# KiCad board SparkFun_BlueSMiRF-ESP32_panelized.kicad_pcb (continued)
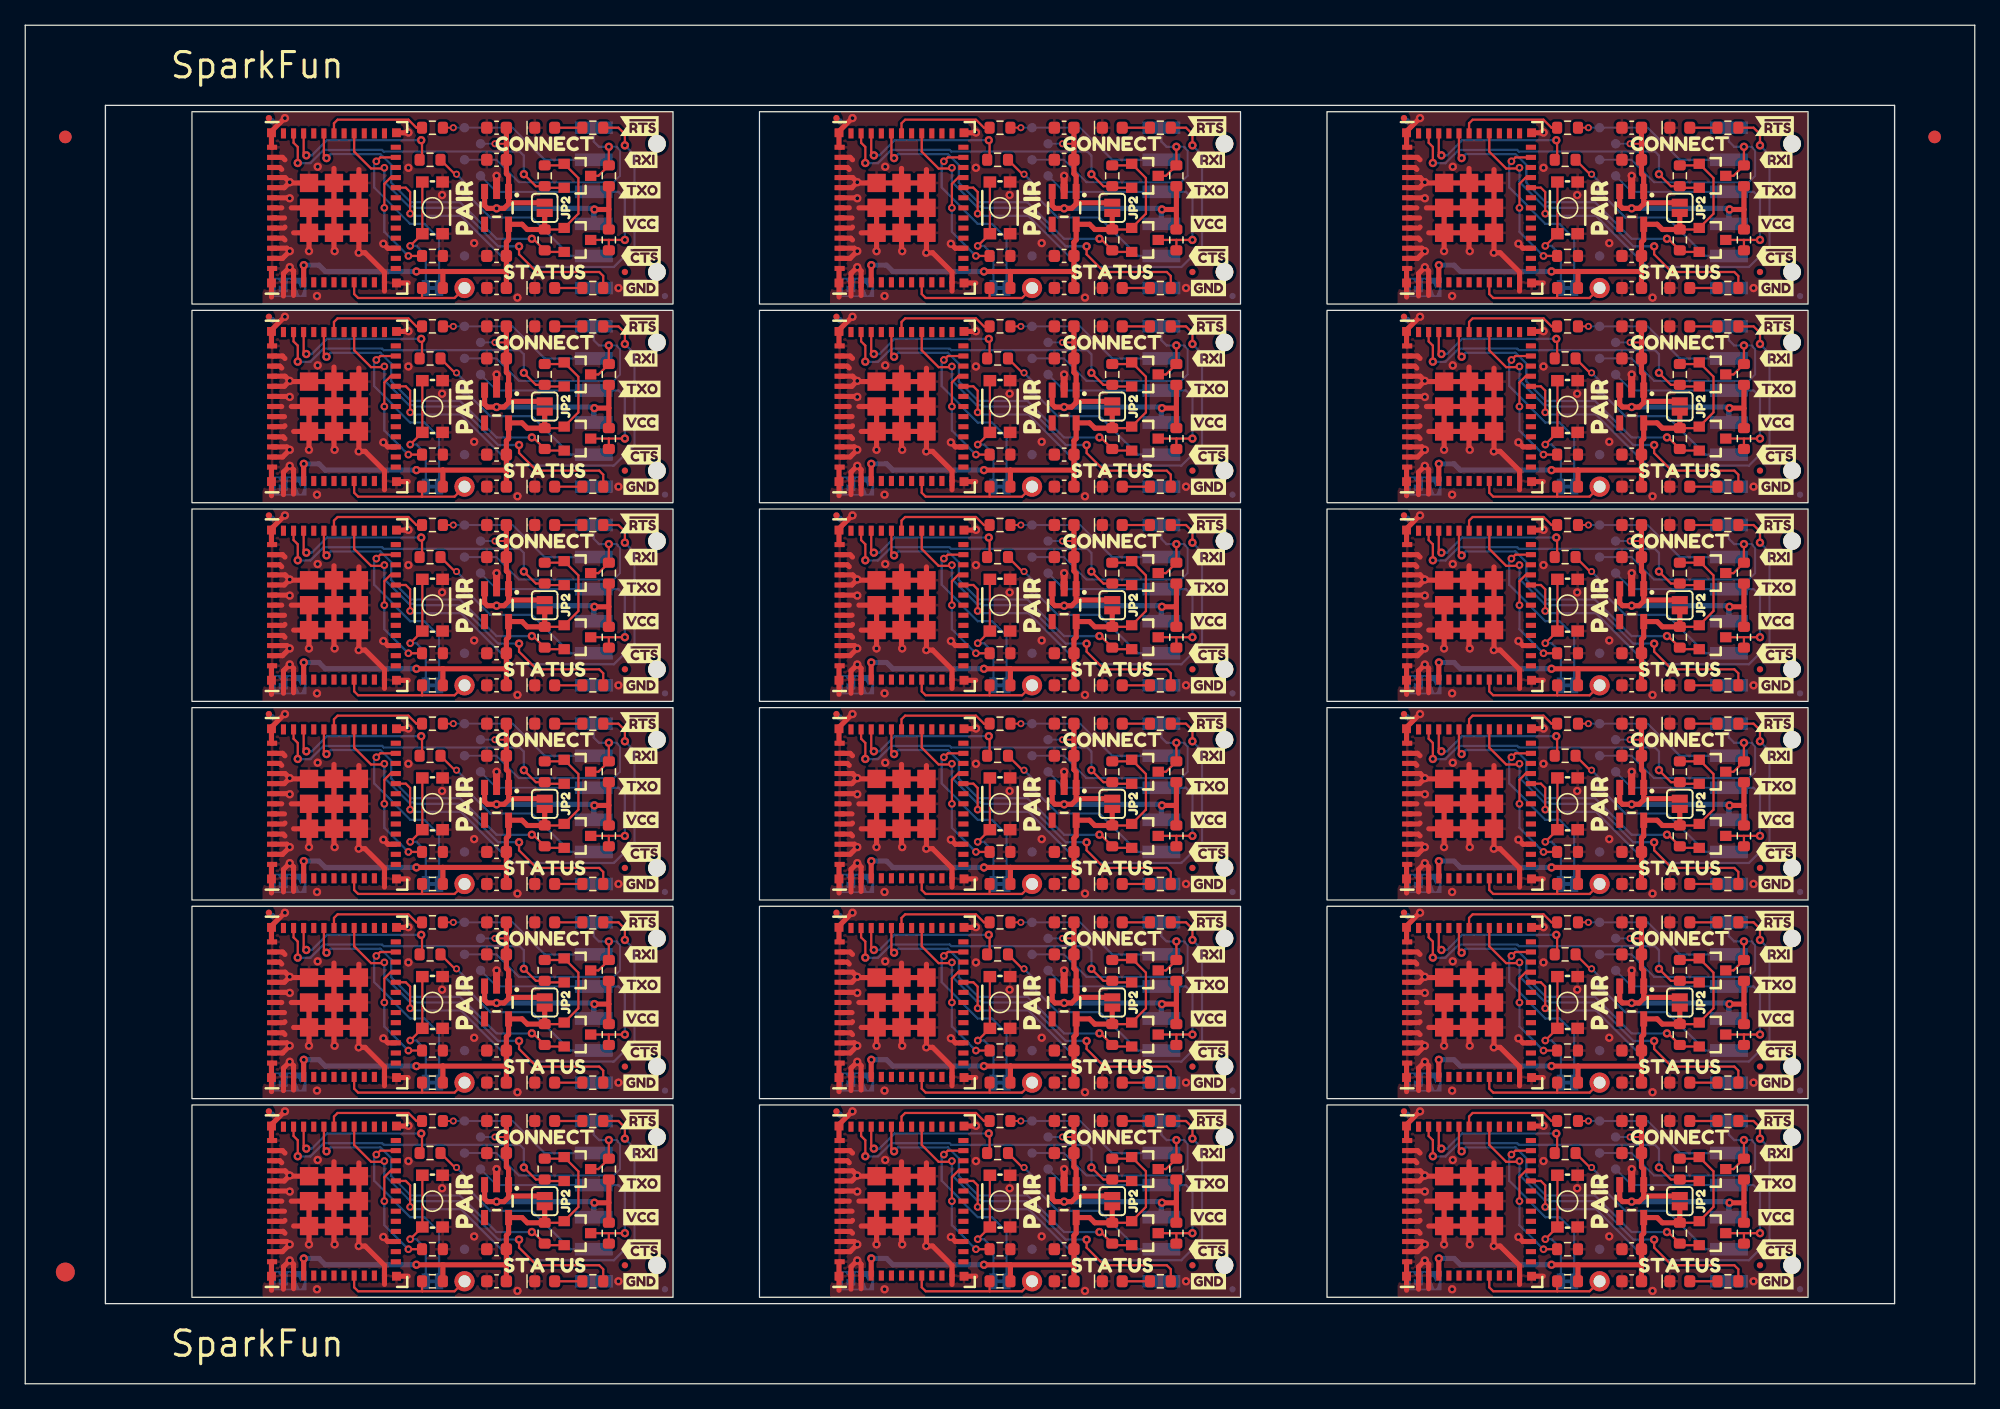
[diagram p0: board, top side]
## Nets (continued)
VCC: C1.1 C1#2.1 C1#3.1 C1#4.1 C1#5.1 C1#6.1 C1#7.1 C1#8.1 C1#9.1 C1#10.1 C1#11.1 C1#12.1 C1#13.1 C1#14.1 C1#15.1 C1#16.1 C1#17.1 C1#18.1 C2.1 C2#2.1 C2#3.1 C2#4.1 C2#5.1 C2#6.1 C2#7.1 C2#8.1 C2#9.1 C2#10.1 C2#11.1 C2#12.1 C2#13.1 C2#14.1 C2#15.1 C2#16.1 C2#17.1 C2#18.1 J1.4 J1#2.4 J1#3.4 J1#4.4 J1#5.4 J1#6.4 J1#7.4 J1#8.4 J1#9.4 J1#10.4 J1#11.4 J1#12.4 J1#13.4 J1#14.4 J1#15.4 J1#16.4 J1#17.4 J1#18.4 JP2.1 JP2#2.1 JP2#3.1 JP2#4.1 JP2#5.1 JP2#6.1 JP2#7.1 JP2#8.1 JP2#9.1 JP2#10.1 JP2#11.1 JP2#12.1 JP2#13.1 JP2#14.1 JP2#15.1 JP2#16.1 JP2#17.1 JP2#18.1 R9.1 R9#2.1 R9#3.1 R9#4.1 R9#5.1 R9#6.1 R9#7.1 R9#8.1 R9#9.1 R9#10.1 R9#11.1 R9#12.1 R9#13.1 R9#14.1 R9#15.1 R9#16.1 R9#17.1 R9#18.1 R10.1 R10#2.1 R10#3.1 R10#4.1 R10#5.1 R10#6.1 R10#7.1 R10#8.1 R10#9.1 R10#10.1 R10#11.1 R10#12.1 R10#13.1 R10#14.1 R10#15.1 R10#16.1 R10#17.1 R10#18.1 TP7.1 TP7#2.1 TP7#3.1 TP7#4.1 TP7#5.1 TP7#6.1 TP7#7.1 TP7#8.1 TP7#9.1 TP7#10.1 TP7#11.1 TP7#12.1 TP7#13.1 TP7#14.1 TP7#15.1 TP7#16.1 TP7#17.1 TP7#18.1 U2.1 U2.3 U2#2.1 U2#2.3 U2#3.1 U2#3.3 U2#4.1 U2#4.3 U2#5.1 U2#5.3 U2#6.1 U2#6.3 U2#7.1 U2#7.3 U2#8.1 U2#8.3 U2#9.1 U2#9.3 U2#10.1 U2#10.3 U2#11.1 U2#11.3 U2#12.1 U2#12.3 U2#13.1 U2#13.3 U2#14.1 U2#14.3 U2#15.1 U2#15.3 U2#16.1 U2#16.3 U2#17.1 U2#17.3 U2#18.1 U2#18.3
/Connect: R5.1 R5#2.1 R5#3.1 R5#4.1 R5#5.1 R5#6.1 R5#7.1 R5#8.1 R5#9.1 R5#10.1 R5#11.1 R5#12.1 R5#13.1 R5#14.1 R5#15.1 R5#16.1 R5#17.1 R5#18.1 U1.20 U1#2.20 U1#3.20 U1#4.20 U1#5.20 U1#6.20 U1#7.20 U1#8.20 U1#9.20 U1#10.20 U1#11.20 U1#12.20 U1#13.20 U1#14.20 U1#15.20 U1#16.20 U1#17.20 U1#18.20
/Status: R6.1 R6#2.1 R6#3.1 R6#4.1 R6#5.1 R6#6.1 R6#7.1 R6#8.1 R6#9.1 R6#10.1 R6#11.1 R6#12.1 R6#13.1 R6#14.1 R6#15.1 R6#16.1 R6#17.1 R6#18.1 U1.28 U1#2.28 U1#3.28 U1#4.28 U1#5.28 U1#6.28 U1#7.28 U1#8.28 U1#9.28 U1#10.28 U1#11.28 U1#12.28 U1#13.28 U1#14.28 U1#15.28 U1#16.28 U1#17.28 U1#18.28
PAIR: JP1.2 JP1#2.2 JP1#3.2 JP1#4.2 JP1#5.2 JP1#6.2 JP1#7.2 JP1#8.2 JP1#9.2 JP1#10.2 JP1#11.2 JP1#12.2 JP1#13.2 JP1#14.2 JP1#15.2 JP1#16.2 JP1#17.2 JP1#18.2 U1.23 U1#2.23 U1#3.23 U1#4.23 U1#5.23 U1#6.23 U1#7.23 U1#8.23 U1#9.23 U1#10.23 U1#11.23 U1#12.23 U1#13.23 U1#14.23 U1#15.23 U1#16.23 U1#17.23 U1#18.23
RX_HV: J1.2 J1#2.2 J1#3.2 J1#4.2 J1#5.2 J1#6.2 J1#7.2 J1#8.2 J1#9.2 J1#10.2 J1#11.2 J1#12.2 J1#13.2 J1#14.2 J1#15.2 J1#16.2 J1#17.2 J1#18.2 R3.2 R3#2.2 R3#3.2 R3#4.2 R3#5.2 R3#6.2 R3#7.2 R3#8.2 R3#9.2 R3#10.2 R3#11.2 R3#12.2 R3#13.2 R3#14.2 R3#15.2 R3#16.2 R3#17.2 R3#18.2 TP2.1 TP2#2.1 TP2#3.1 TP2#4.1 TP2#5.1 TP2#6.1 TP2#7.1 TP2#8.1 TP2#9.1 TP2#10.1 TP2#11.1 TP2#12.1 TP2#13.1 TP2#14.1 TP2#15.1 TP2#16.1 TP2#17.1 TP2#18.1
RX_LV: R3.1 R3#2.1 R3#3.1 R3#4.1 R3#5.1 R3#6.1 R3#7.1 R3#8.1 R3#9.1 R3#10.1 R3#11.1 R3#12.1 R3#13.1 R3#14.1 R3#15.1 R3#16.1 R3#17.1 R3#18.1 U1.30 U1#2.30 U1#3.30 U1#4.30 U1#5.30 U1#6.30 U1#7.30 U1#8.30 U1#9.30 U1#10.30 U1#11.30 U1#12.30 U1#13.30 U1#14.30 U1#15.30 U1#16.30 U1#17.30 U1#18.30
TX_HV: J1.3 J1#2.3 J1#3.3 J1#4.3 J1#5.3 J1#6.3 J1#7.3 J1#8.3 J1#9.3 J1#10.3 J1#11.3 J1#12.3 J1#13.3 J1#14.3 J1#15.3 J1#16.3 J1#17.3 J1#18.3 Q1.3 Q1#2.3 Q1#3.3 Q1#4.3 Q1#5.3 Q1#6.3 Q1#7.3 Q1#8.3 Q1#9.3 Q1#10.3 Q1#11.3 Q1#12.3 Q1#13.3 Q1#14.3 Q1#15.3 Q1#16.3 Q1#17.3 Q1#18.3 R9.2 R9#2.2 R9#3.2 R9#4.2 R9#5.2 R9#6.2 R9#7.2 R9#8.2 R9#9.2 R9#10.2 R9#11.2 R9#12.2 R9#13.2 R9#14.2 R9#15.2 R9#16.2 R9#17.2 R9#18.2 TP4.1 TP4#2.1 TP4#3.1 TP4#4.1 TP4#5.1 TP4#6.1 TP4#7.1 TP4#8.1 TP4#9.1 TP4#10.1 TP4#11.1 TP4#12.1 TP4#13.1 TP4#14.1 TP4#15.1 TP4#16.1 TP4#17.1 TP4#18.1
TX_LV: Q1.2 Q1#2.2 Q1#3.2 Q1#4.2 Q1#5.2 Q1#6.2 Q1#7.2 Q1#8.2 Q1#9.2 Q1#10.2 Q1#11.2 Q1#12.2 Q1#13.2 Q1#14.2 Q1#15.2 Q1#16.2 Q1#17.2 Q1#18.2 R7.2 R7#2.2 R7#3.2 R7#4.2 R7#5.2 R7#6.2 R7#7.2 R7#8.2 R7#9.2 R7#10.2 R7#11.2 R7#12.2 R7#13.2 R7#14.2 R7#15.2 R7#16.2 R7#17.2 R7#18.2 U1.31 U1#2.31 U1#3.31 U1#4.31 U1#5.31 U1#6.31 U1#7.31 U1#8.31 U1#9.31 U1#10.31 U1#11.31 U1#12.31 U1#13.31 U1#14.31 U1#15.31 U1#16.31 U1#17.31 U1#18.31
~{CTS_HV}: J1.5 J1#2.5 J1#3.5 J1#4.5 J1#5.5 J1#6.5 J1#7.5 J1#8.5 J1#9.5 J1#10.5 J1#11.5 J1#12.5 J1#13.5 J1#14.5 J1#15.5 J1#16.5 J1#17.5 J1#18.5 R4.2 R4#2.2 R4#3.2 R4#4.2 R4#5.2 R4#6.2 R4#7.2 R4#8.2 R4#9.2 R4#10.2 R4#11.2 R4#12.2 R4#13.2 R4#14.2 R4#15.2 R4#16.2 R4#17.2 R4#18.2 TP3.1 TP3#2.1 TP3#3.1 TP3#4.1 TP3#5.1 TP3#6.1 TP3#7.1 TP3#8.1 TP3#9.1 TP3#10.1 TP3#11.1 TP3#12.1 TP3#13.1 TP3#14.1 TP3#15.1 TP3#16.1 TP3#17.1 TP3#18.1
~{CTS_LV}: R4.1 R4#2.1 R4#3.1 R4#4.1 R4#5.1 R4#6.1 R4#7.1 R4#8.1 R4#9.1 R4#10.1 R4#11.1 R4#12.1 R4#13.1 R4#14.1 R4#15.1 R4#16.1 R4#17.1 R4#18.1 U1.33 U1#2.33 U1#3.33 U1#4.33 U1#5.33 U1#6.33 U1#7.33 U1#8.33 U1#9.33 U1#10.33 U1#11.33 U1#12.33 U1#13.33 U1#14.33 U1#15.33 U1#16.33 U1#17.33 U1#18.33
~{RTS_HV}: J1.1 J1#2.1 J1#3.1 J1#4.1 J1#5.1 J1#6.1 J1#7.1 J1#8.1 J1#9.1 J1#10.1 J1#11.1 J1#12.1 J1#13.1 J1#14.1 J1#15.1 J1#16.1 J1#17.1 J1#18.1 Q2.3 Q2#2.3 Q2#3.3 Q2#4.3 Q2#5.3 Q2#6.3 Q2#7.3 Q2#8.3 Q2#9.3 Q2#10.3 Q2#11.3 Q2#12.3 Q2#13.3 Q2#14.3 Q2#15.3 Q2#16.3 Q2#17.3 Q2#18.3 R10.2 R10#2.2 R10#3.2 R10#4.2 R10#5.2 R10#6.2 R10#7.2 R10#8.2 R10#9.2 R10#10.2 R10#11.2 R10#12.2 R10#13.2 R10#14.2 R10#15.2 R10#16.2 R10#17.2 R10#18.2 TP5.1 TP5#2.1 TP5#3.1 TP5#4.1 TP5#5.1 TP5#6.1 TP5#7.1 TP5#8.1 TP5#9.1 TP5#10.1 TP5#11.1 TP5#12.1 TP5#13.1 TP5#14.1 TP5#15.1 TP5#16.1 TP5#17.1 TP5#18.1
~{RTS_LV}: Q2.2 Q2#2.2 Q2#3.2 Q2#4.2 Q2#5.2 Q2#6.2 Q2#7.2 Q2#8.2 Q2#9.2 Q2#10.2 Q2#11.2 Q2#12.2 Q2#13.2 Q2#14.2 Q2#15.2 Q2#16.2 Q2#17.2 Q2#18.2 R8.2 R8#2.2 R8#3.2 R8#4.2 R8#5.2 R8#6.2 R8#7.2 R8#8.2 R8#9.2 R8#10.2 R8#11.2 R8#12.2 R8#13.2 R8#14.2 R8#15.2 R8#16.2 R8#17.2 R8#18.2 U1.34 U1#2.34 U1#3.34 U1#4.34 U1#5.34 U1#6.34 U1#7.34 U1#8.34 U1#9.34 U1#10.34 U1#11.34 U1#12.34 U1#13.34 U1#14.34 U1#15.34 U1#16.34 U1#17.34 U1#18.34
Net-(D1-A): D1.2 D1#2.2 D1#3.2 D1#4.2 D1#5.2 D1#6.2 D1#7.2 D1#8.2 D1#9.2 D1#10.2 D1#11.2 D1#12.2 D1#13.2 D1#14.2 D1#15.2 D1#16.2 D1#17.2 D1#18.2 R5.2 R5#2.2 R5#3.2 R5#4.2 R5#5.2 R5#6.2 R5#7.2 R5#8.2 R5#9.2 R5#10.2 R5#11.2 R5#12.2 R5#13.2 R5#14.2 R5#15.2 R5#16.2 R5#17.2 R5#18.2
Net-(D2-A): D2.2 D2#2.2 D2#3.2 D2#4.2 D2#5.2 D2#6.2 D2#7.2 D2#8.2 D2#9.2 D2#10.2 D2#11.2 D2#12.2 D2#13.2 D2#14.2 D2#15.2 D2#16.2 D2#17.2 D2#18.2 R6.2 R6#2.2 R6#3.2 R6#4.2 R6#5.2 R6#6.2 R6#7.2 R6#8.2 R6#9.2 R6#10.2 R6#11.2 R6#12.2 R6#13.2 R6#14.2 R6#15.2 R6#16.2 R6#17.2 R6#18.2
Net-(JP1-A): JP1.1 JP1#2.1 JP1#3.1 JP1#4.1 JP1#5.1 JP1#6.1 JP1#7.1 JP1#8.1 JP1#9.1 JP1#10.1 JP1#11.1 JP1#12.1 JP1#13.1 JP1#14.1 JP1#15.1 JP1#16.1 JP1#17.1 JP1#18.1 SW1.1 SW1#2.1 SW1#3.1 SW1#4.1 SW1#5.1 SW1#6.1 SW1#7.1 SW1#8.1 SW1#9.1 SW1#10.1 SW1#11.1 SW1#12.1 SW1#13.1 SW1#14.1 SW1#15.1 SW1#16.1 SW1#17.1 SW1#18.1
Net-(U1-EN): R1.2 R1#2.2 R1#3.2 R1#4.2 R1#5.2 R1#6.2 R1#7.2 R1#8.2 R1#9.2 R1#10.2 R1#11.2 R1#12.2 R1#13.2 R1#14.2 R1#15.2 R1#16.2 R1#17.2 R1#18.2 TP1.1 TP1#2.1 TP1#3.1 TP1#4.1 TP1#5.1 TP1#6.1 TP1#7.1 TP1#8.1 TP1#9.1 TP1#10.1 TP1#11.1 TP1#12.1 TP1#13.1 TP1#14.1 TP1#15.1 TP1#16.1 TP1#17.1 TP1#18.1 U1.8 U1#2.8 U1#3.8 U1#4.8 U1#5.8 U1#6.8 U1#7.8 U1#8.8 U1#9.8 U1#10.8 U1#11.8 U1#12.8 U1#13.8 U1#14.8 U1#15.8 U1#16.8 U1#17.8 U1#18.8
Net-(U1-IOA15): R2.1 R2#2.1 R2#3.1 R2#4.1 R2#5.1 R2#6.1 R2#7.1 R2#8.1 R2#9.1 R2#10.1 R2#11.1 R2#12.1 R2#13.1 R2#14.1 R2#15.1 R2#16.1 R2#17.1 R2#18.1 U1.21 U1#2.21 U1#3.21 U1#4.21 U1#5.21 U1#6.21 U1#7.21 U1#8.21 U1#9.21 U1#10.21 U1#11.21 U1#12.21 U1#13.21 U1#14.21 U1#15.21 U1#16.21 U1#17.21 U1#18.21

Pads without a net: U1 4 5 6 7 9 10 12 13 15 16 17 18 19 22 24 25 26 27 29 32 35; U1#2 4 5 6 7 9 10 12 13 15 16 17 18 19 22 24 25 26 27 29 32 35; U1#3 4 5 6 7 9 10 12 13 15 16 17 18 19 22 24 25 26 27 29 32 35; U1#4 4 5 6 7 9 10 12 13 15 16 17 18 19 22 24 25 26 27 29 32 35; U1#5 4 5 6 7 9 10 12 13 15 16 17 18 19 22 24 25 26 27 29 32 35; U1#6 4 5 6 7 9 10 12 13 15 16 17 18 19 22 24 25 26 27 29 32 35; U1#7 4 5 6 7 9 10 12 13 15 16 17 18 19 22 24 25 26 27 29 32 35; U1#8 4 5 6 7 9 10 12 13 15 16 17 18 19 22 24 25 26 27 29 32 35; U1#9 4 5 6 7 9 10 12 13 15 16 17 18 19 22 24 25 26 27 29 32 35; U1#10 4 5 6 7 9 10 12 13 15 16 17 18 19 22 24 25 26 27 29 32 35; U1#11 4 5 6 7 9 10 12 13 15 16 17 18 19 22 24 25 26 27 29 32 35; U1#12 4 5 6 7 9 10 12 13 15 16 17 18 19 22 24 25 26 27 29 32 35; U1#13 4 5 6 7 9 10 12 13 15 16 17 18 19 22 24 25 26 27 29 32 35; U1#14 4 5 6 7 9 10 12 13 15 16 17 18 19 22 24 25 26 27 29 32 35; U1#15 4 5 6 7 9 10 12 13 15 16 17 18 19 22 24 25 26 27 29 32 35; U1#16 4 5 6 7 9 10 12 13 15 16 17 18 19 22 24 25 26 27 29 32 35; U1#17 4 5 6 7 9 10 12 13 15 16 17 18 19 22 24 25 26 27 29 32 35; U1#18 4 5 6 7 9 10 12 13 15 16 17 18 19 22 24 25 26 27 29 32 35; U2 4; U2#2 4; U2#3 4; U2#4 4; U2#5 4; U2#6 4; U2#7 4; U2#8 4; U2#9 4; U2#10 4; U2#11 4; U2#12 4; U2#13 4; U2#14 4; U2#15 4; U2#16 4; U2#17 4; U2#18 4

## Via types
v1: diameter 0.66, hole 0.305, Top to Bottom, 576 vias
v2: diameter 0.56, hole 0.3, Top to Bottom, 54 vias
v3: diameter 0.61, hole 0.305, Top to Bottom, 108 vias

## Routing (per net, layer and track width the routed paths; a pad name or vN(x,y) marks a point on that pad's centre or on a via; arc(x,y) is an arc through that point)
+3.3V: length 676.6
  Top w0.178: R8#3.1 87.5,80.8 Q2#17.1 88.76,79.79 88.76,76.97 Q1#7.1 87.5,75.72 R7#13.1 ; R8#7.1 132.45,80.8 Q2#9.1 133.71,79.79 133.71,76.97 Q1#8.1 132.45,75.72 R7#18.1 ; R7#6.1 42.56,28.5 Q1#6.1 43.81,29.75 43.81,32.57 Q2#2.1 42.56,33.58 R8#18.1 ; R7#12.1 42.56,44.24 Q1#16.1 43.81,45.49 43.81,48.31 Q2#6.1 42.56,49.32 R8#9.1 ; R8#6.1 87.5,17.84 Q2#15.1 88.76,16.83 88.76,14.01 Q1#4.1 87.5,12.76 R7#8.1 ; R8#13.1 132.45,17.84 Q2#5.1 133.71,16.83 133.71,14.01 Q1#5.1 132.45,12.76 R7#5.1 ; R8#8.1 132.45,65.06 Q2#8.1 133.71,64.05 133.71,61.23 Q1#3.1 132.45,59.98 R7#7.1 ; 41.14,96.53 42.56,96.53 Q2#18.1 43.81,95.53 43.81,92.71 Q1#2.1 42.56,91.46 41.14,91.46 ; R8#12.1 132.45,49.32 Q2#13.1 133.71,48.31 133.71,45.49 Q1.1 132.45,44.24 R7#11.1 ; R8#5.1 87.5,49.32 Q2.1 88.76,48.31 88.76,45.49 Q1#11.1 87.5,44.24 R7#16.1 ; R8#14.1 42.56,65.06 Q2#16.1 43.81,64.05 43.81,61.23 Q1#10.1 42.56,59.98 R7#15.1 ; R7#14.1 132.45,28.5 Q1#9.1 133.71,29.75 133.71,32.57 Q2#11.1 132.45,33.58 R8.1 ; R7#2.1 87.5,28.5 Q1#17.1 88.76,29.75 88.76,32.57 Q2#14.1 87.5,33.58 R8#4.1 ; 131.04,96.53 132.45,96.53 Q2#7.1 133.71,95.53 133.71,92.71 Q1#12.1 132.45,91.46 131.04,91.46 ; 86.09,91.46 87.5,91.46 Q1#15.1 88.76,92.71 88.76,95.53 Q2#12.1 87.5,96.53 86.09,96.53 ; R8#10.1 87.5,65.06 Q2#10.1 88.76,64.05 88.76,61.23 Q1#18.1 87.5,59.98 R7#9.1 ; R8#11.1 42.56,80.8 Q2#4.1 43.81,79.79 43.81,76.97 Q1#13.1 42.56,75.72 R7#17.1 ; R8#2.1 42.56,17.84 Q2#3.1 43.81,16.83 43.81,14.01 Q1#14.1 42.56,12.76 R7#3.1
  Top w0.406: v1(30.98,9.43) 33.08,9.43 ; 33.08,9.43 38.1,9.43 ; 33.07,9.43 R1#18.1 ; JP2#7.2 R7#12.1 39.76,44.24 39.35,44.65 U2.5 38.28,43.41 38.1,43.23 C3#5.1 38.1,40.91 ; R1#14.1 122.97,72.39 ; 122.98,72.39 128,72.39 ; 122.98,72.39 v1(120.88,72.39) ; JP2#17.2 R7#18.1 129.66,75.72 129.25,76.13 U2#13.5 128.18,74.89 128,74.71 C3#12.1 128,72.39 ; JP2#2.2 R7#17.1 39.76,75.72 39.35,76.13 U2#11.5 38.28,74.89 38.1,74.71 C3#4.1 38.1,72.39 ; R1#7.1 122.97,88.13 ; 122.98,88.13 v1(120.88,88.13) ; 122.98,88.13 128,88.13 ; R1#11.1 33.07,25.17 ; 33.08,25.17 38.1,25.17 ; 33.08,25.17 v1(30.98,25.17) ; 38.1,9.43 C3#10.1 38.1,11.75 38.28,11.93 U2#9.5 39.35,13.17 39.76,12.76 R7#3.1 JP2#3.2 ; 38.1,9.43 C4#7.1 ; JP2#10.2 86.09,91.46 84.71,91.46 84.3,91.87 U2#5.5 83.23,90.63 83.06,90.45 C3#11.1 83.06,88.13 ; v1(75.93,88.13) 78.03,88.13 ; 78.03,88.13 83.06,88.13 ; 78.03,88.13 78.03,88.13 R1#17.1 ; v1(22.06,88.63) 22.05,88.62 U1#18.3 ; U1#15.3 111.95,72.88 v1(111.96,72.89) ; JP2#13.2 R7#14.1 129.66,28.5 129.25,28.91 U2#6.5 128.18,27.67 128,27.49 C3#2.1 128,25.17 ; R1#9.1 78.03,25.17 78.03,25.17 ; 38.1,25.17 C4.1 ; 38.1,25.17 C3#7.1 38.1,27.49 38.28,27.67 U2#3.5 39.35,28.91 39.76,28.5 R7#6.1 JP2#4.2 ; 38.1,72.39 C4#16.1 ; 38.1,72.39 33.08,72.39 ; v1(120.88,40.91) 122.98,40.91 ; 122.97,40.91 R1#16.1 ; 122.98,40.91 128,40.91 ; v1(111.96,88.63) 111.95,88.62 U1#7.3 ; R1#13.1 33.07,56.65 ; 33.08,56.65 38.1,56.65 ; 33.08,56.65 v1(30.98,56.65) ; v1(22.06,9.93) 22.05,9.92 U1#3.3 ; 83.06,88.13 C4#11.1 ; U1#6.3 111.95,57.14 v1(111.96,57.15) ; 33.08,88.13 38.1,88.13 ; 33.07,88.13 R1#4.1 ; 33.08,88.13 v1(30.98,88.13) ; 38.1,88.13 C4#2.1 ; 38.1,88.13 C3#8.1 38.1,90.45 38.28,90.63 U2#8.5 39.35,91.87 39.76,91.46 41.14,91.46 JP2#16.2 ; v1(67.01,9.93) 67,9.92 U1#12.3 ; U1#10.3 111.95,9.92 v1(111.96,9.93) ; U1#2.3 67,88.62 v1(67.01,88.63) ; 128,72.39 C4#12.1 ; C4#4.1 38.1,56.65 ; 38.1,56.65 C3#18.1 38.1,58.97 38.28,59.15 U2#16.5 39.35,60.39 39.76,59.98 R7#15.1 JP2.2 ; v1(30.98,40.91) 33.08,40.91 ; 33.07,40.91 R1#10.1 ; 33.08,40.91 38.1,40.91 ; 78.03,9.43 83.06,9.43 ; 78.03,9.43 v1(75.93,9.43) ; 78.03,9.43 78.03,9.43 R1#3.1 ; 83.06,9.43 C4#17.1 ; 83.06,9.43 C3#17.1 83.06,11.75 83.23,11.93 U2#2.5 84.3,13.17 84.71,12.76 R7#8.1 JP2#11.2 ; 38.1,40.91 C4#3.1 ; R1#8.1 122.97,25.17 ; 122.98,25.17 128,25.17 ; 122.98,25.17 v1(120.88,25.17) ; 78.03,40.91 83.06,40.91 ; 78.03,40.91 78.03,40.91 R1#15.1 ; 78.03,40.91 v1(75.93,40.91) ; 83.06,40.91 C3#15.1 83.06,43.23 83.23,43.41 U2#14.5 84.3,44.65 84.71,44.24 R7#16.1 JP2#5.2 ; 83.06,40.91 C4#6.1 ; 128,25.17 C4#18.1 ; 122.98,56.65 128,56.65 ; 122.97,56.65 R1#5.1 ; 122.98,56.65 v1(120.88,56.65) ; 128,56.65 C4#5.1 ; 128,56.65 C3#14.1 128,58.97 128.18,59.15 U2#18.5 129.25,60.39 129.66,59.98 R7#7.1 JP2#14.2 ; U1#13.3 67,72.88 v1(67.01,72.89) ; R1.1 33.07,72.39 ; 33.08,72.39 v1(30.98,72.39) ; C4#15.1 128,9.43 ; 128,9.43 C3#6.1 128,11.75 128.18,11.93 U2#15.5 129.25,13.17 129.66,12.76 R7#5.1 JP2#18.2 ; 128,9.43 122.98,9.43 ; v1(22.06,57.15) 22.05,57.14 U1#11.3 ; U1#14.3 67,57.14 v1(67.01,57.15) ; JP2#15.2 R7#9.1 84.71,59.98 84.3,60.39 U2#10.5 83.23,59.15 83.06,58.97 C3#3.1 83.06,56.65 ; C4#10.1 128,88.13 ; 128,88.13 C3#13.1 128,90.45 128.18,90.63 U2#12.5 129.25,91.87 129.66,91.46 131.04,91.46 JP2#12.2 ; U1#16.3 22.05,41.4 v1(22.06,41.41) ; U1#9.3 22.05,72.88 v1(22.06,72.89) ; R1#2.1 122.97,9.43 ; 122.98,9.43 v1(120.88,9.43) ; U1#5.3 67,25.66 v1(67.01,25.67) ; C4#8.1 83.06,56.65 ; 83.06,56.65 78.03,56.65 ; v1(111.96,41.41) 111.95,41.4 U1#8.3 ; v1(75.93,25.17) 78.03,25.17 ; 78.03,25.17 83.06,25.17 ; 78.03,72.39 83.06,72.39 ; 78.03,72.39 78.03,72.39 R1#12.1 ; 78.03,72.39 v1(75.93,72.39) ; 83.06,72.39 C4#13.1 ; 83.06,72.39 C3.1 83.06,74.71 83.23,74.89 U2#4.5 84.3,76.13 84.71,75.72 R7#13.1 JP2#9.2 ; U1#4.3 22.05,25.66 v1(22.06,25.67) ; 78.03,56.65 v1(75.93,56.65) ; 78.03,56.65 78.03,56.65 R1#6.1 ; JP2#8.2 R7#2.1 84.71,28.5 84.3,28.91 U2#17.5 83.23,27.67 83.06,27.49 C3#16.1 83.06,25.17 ; 83.06,25.17 C4#9.1 ; C4#14.1 128,40.91 ; 128,40.91 C3#9.1 128,43.23 128.18,43.41 U2#7.5 129.25,44.65 129.66,44.24 R7#11.1 JP2#6.2 ; v1(67.01,41.41) 67,41.4 U1.3 ; v1(111.96,25.67) 111.95,25.66 U1#17.3
  Bottom w0.406: v1(111.96,25.67) 113.16,25.67 113.66,25.17 v1(120.88,25.17) ; v1(75.93,40.91) 68.72,40.91 68.22,41.41 v1(67.01,41.41) ; v1(67.01,57.15) 68.22,57.15 68.72,56.65 v1(75.93,56.65) ; v1(75.93,9.43) 68.72,9.43 68.22,9.93 v1(67.01,9.93) ; v1(111.96,72.89) 113.16,72.89 113.66,72.39 v1(120.88,72.39) ; v1(22.06,57.15) 23.26,57.15 23.76,56.65 v1(30.98,56.65) ; v1(67.01,25.67) 68.22,25.67 68.72,25.17 v1(75.93,25.17) ; v1(30.98,25.17) 23.76,25.17 23.26,25.67 v1(22.06,25.67) ; v1(22.06,41.41) 23.26,41.41 23.76,40.91 v1(30.98,40.91) ; v1(111.96,41.41) 113.16,41.41 113.66,40.91 v1(120.88,40.91) ; v1(75.93,72.39) 68.72,72.39 68.22,72.89 v1(67.01,72.89) ; v1(120.88,9.43) 113.66,9.43 113.16,9.93 v1(111.96,9.93) ; v1(75.93,88.13) 68.72,88.13 68.22,88.63 v1(67.01,88.63) ; v1(120.88,88.13) 113.66,88.13 113.16,88.63 v1(111.96,88.63) ; v1(30.98,72.39) 23.76,72.39 23.26,72.89 v1(22.06,72.89) ; v1(111.96,57.15) 113.16,57.15 113.66,56.65 v1(120.88,56.65) ; v1(22.06,9.93) 23.26,9.93 23.76,9.43 v1(30.98,9.43) ; v1(30.98,88.13) 23.76,88.13 23.26,88.63 v1(22.06,88.63)
GND: length 1160.6